# KiCad board motorgo_core_panel.kicad_pcb (continued)
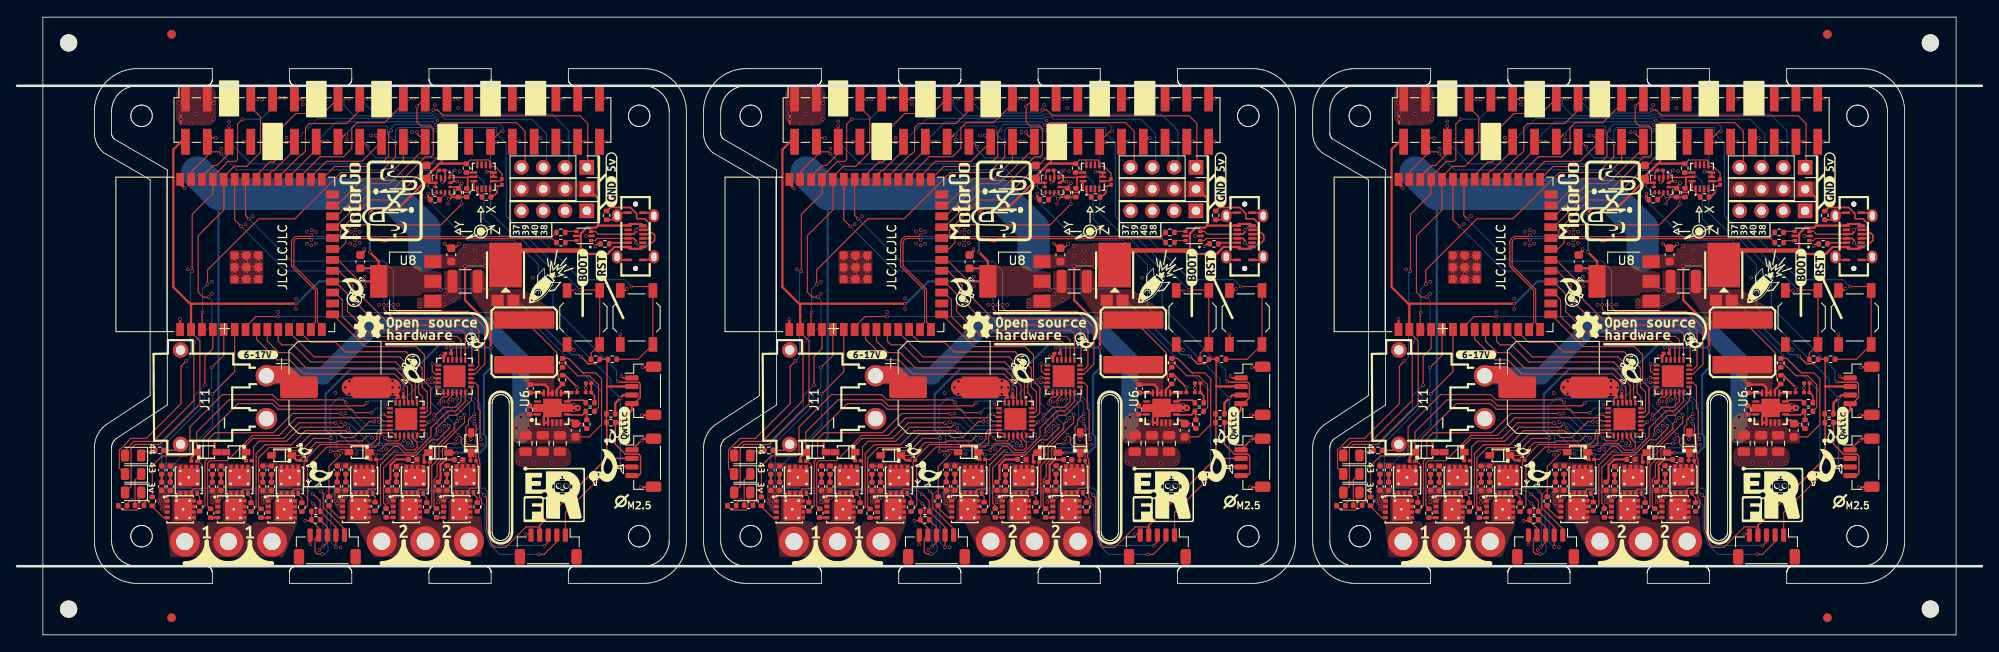
[diagram p0: board, top side]
## Nets (continued)
Board_1-+BATT: C2.1 C5.2 C7#2.2 C10.2 C12#2.2 C14#2.2 C15#3.1 C16#3.1 C17#2.1 C19#3.1 C27#3.2 C35.2 C37.2 C40#2.2 C42#3.2 C44#3.2 C47#3.2 J11#3.1 Q1#3.5 Q1#3.6 Q1#3.7 Q1#3.8 Q1#3.9 Q3#2.5 Q3#2.6 Q3#2.7 Q3#2.8 Q3#2.9 Q5#2.5 Q5#2.6 Q5#2.7 Q5#2.8 Q5#2.9 Q7#2.5 Q7#2.6 Q7#2.7 Q7#2.8 Q7#2.9 Q9#2.5 Q9#2.6 Q9#2.7 Q9#2.8 Q9#2.9 Q11#2.5 Q11#2.6 Q11#2.7 Q11#2.8 Q11#2.9 R16.1 U6#2.4 U6#2.5 U6#2.6
Board_1-/connectors.enc1.cs: J16#3.1 U1.6
Board_1-/connectors.enc2.cs: J18#2.1 U1.7
Board_1-/connectors.enc_scl: J16#3.2 J18#2.2 R32.2 U1.5
Board_1-/connectors.enc_sda: J16#3.3 J18#2.3 R33#2.2 U1.4
Board_1-/i2c_1.scl: R39.2 U1.22 U10#2.1 U11.13
Board_1-/i2c_1.sda: R38#2.2 U1.21 U10#2.11 U11.14
Board_1-boot: J2#3.2 J4#2.30 J7#2.29 R8#2.2 U1.27
Board_1-GND: C1.2 C2.2 C3#3.2 C6#3.1 C8#3.1 C11.1 C13.1 C15#3.2 C16#3.2 C17#2.2 C18.2 C19#3.2 C20#3.2 C21#2.1 C23#3.2 C24#3.2 C25#3.2 C28#2.1 C30#3.1 C31#3.2 C32.2 C33.2 C36.1 C38.1 C41#3.1 C43#3.1 C45#2.1 C48#3.1 J1#3.1 J1#3.2 J1#3.3 J1#3.4 J1#3.A1 J1#3.A12 J1#3.B1 J1#3.B12 J2#3.1 J3#2.2 J4#2.5 J4#2.10 J4#2.13 J4#2.19 J4#2.26 J4#2.29 J4#2.33 J4#2.40 J7#2.6 J7#2.9 J7#2.14 J7#2.20 J7#2.25 J7#2.30 J7#2.34 J7#2.39 J9.1 J9.2 J9.3 J9.4 J11#3.2 J11#3.3 J11#3.4 J13#2.1 J15#2.1 J16#3.5 J18#2.5 Q2#2.1 Q2#2.2 Q2#2.3 Q4#2.1 Q4#2.2 Q4#2.3 Q6#3.1 Q6#3.2 Q6#3.3 Q8.1 Q8.2 Q8.3 Q10#3.1 Q10#3.2 Q10#3.3 Q12.1 Q12.2 Q12.3 R1.2 R2#2.2 R3#3.2 R4#2.1 R5#3.1 R17#3.2 R18.2 R25#3.2 R46.2 R49#2.2 U1.1 U1.40 U1.41 U2#2.2 U3#3.6 U4#3.6 U6#2.2 U6#2.3 U6#2.15 U8#3.1 U10#2.2 U10#2.3 U10#2.12 U11.6 U11.7
Board_1-gpio21: J4#2.23 J7#2.24 U1.23
Board_1-gpio35: J4#2.20 J7#2.19 U1.28
Board_1-gpio36: J4#2.21 J7#2.22 U1.29
Board_1-gpio37: J4#2.14 J5.4 J7#2.13 U1.30
Board_1-gpio38: J4#2.17 J5.1 J7#2.18 U1.31
Board_1-gpio39: J4#2.12 J5.3 J7#2.11 U1.32
Board_1-gpio40: J4#2.15 J5.2 J7#2.16 U1.33
Board_1-gpio43: D2.2 J4#2.9 J7#2.10 U1.37
Board_1-gpio44: D1#2.2 J4#2.7 J7#2.8 U1.36
Board_1-gpio47: J4#2.24 J7#2.23 U1.24
Board_1-gpio48: J4#2.22 J7#2.21 U1.25
Board_1-m1_uh: U1.15 U3#3.22
Board_1-m1_ul: U1.10 U3#3.1
Board_1-m1_vh: U1.12 U3#3.23
Board_1-m1_vl: U1.9 U3#3.2
Board_1-m1_wh: U1.11 U3#3.24
Board_1-m1_wl: U1.8 U3#3.3
Board_1-m2_uh: U1.34 U4#3.22
Board_1-m2_ul: U1.19 U4#3.1
Board_1-m2_vh: U1.35 U4#3.23
Board_1-m2_vl: U1.18 U4#3.2
Board_1-m2_wh: U1.20 U4#3.24
Board_1-m2_wl: U1.17 U4#3.3
Board_1-Net-(C1-Pad1): C1.1 C20#3.1 R19#3.2
Board_1-Net-(C5-Pad1): C5.1 C6#3.2
Board_1-Net-(C7-Pad1): C7#2.1 C8#3.2
Board_1-Net-(C10-Pad1): C10.1 C11.2
Board_1-Net-(C12-Pad1): C12#2.1 C13.2
Board_1-Net-(C14-Pad1): C14#2.1 C21#2.2
Board_1-Net-(C22-Pad1): C22.1 L1#3.1 U6#2.11 U6#2.12
Board_1-Net-(C23-Pad1): C23#3.1 D4.1 D4.3 L1#3.2 R24#3.1
Board_1-Net-(C27-Pad1): C27#3.1 C28#2.2
Board_1-Net-(C35-Pad1): C35.1 C36.2
Board_1-Net-(C37-Pad1): C37.1 C38.2
Board_1-Net-(C40-Pad1): C40#2.1 C41#3.2
Board_1-Net-(C42-Pad1): C42#3.1 C43#3.2
Board_1-Net-(C44-Pad1): C44#3.1 C45#2.2
Board_1-Net-(C47-Pad1): C47#3.1 C48#3.2
Board_1-Net-(D1-K): D1#2.1 R1.1
Board_1-Net-(D2-K): D2.1 R2#2.1
Board_1-Net-(D3-K): D3.1 R3#3.1
Board_1-Net-(D5-K): C4#2.2 D5#2.1 U3#3.20
Board_1-Net-(D6-K): C9#2.2 D6.1 U3#3.17
Board_1-Net-(D7-K): C26#3.2 D7#2.1 U3#3.14
Board_1-Net-(D8-K): C34#3.2 D8#2.1 U4#3.20
Board_1-Net-(D9-K): C39#2.2 D9#3.1 U4#3.17
Board_1-Net-(D10-K): C46.2 D10#3.1 U4#3.14
Board_1-Net-(J1-CC1): J1#3.A5 R4#2.2
Board_1-Net-(J1-CC2): J1#3.B5 R5#3.2
Board_1-Net-(J1-DN1): J1#3.A7 J1#3.B7 U2#2.3
Board_1-Net-(J1-DP1): J1#3.A6 J1#3.B6 U2#2.1
Board_1-Net-(Q1-G): Q1#3.4 R15.2
Board_1-Net-(Q2-G): Q2#2.4 R14#3.1
Board_1-Net-(Q3-G): Q3#2.4 R13#2.2
Board_1-Net-(Q4-G): Q4#2.4 R12#2.1
Board_1-Net-(Q5-G): Q5#2.4 R11.2
Board_1-Net-(Q6-G): Q6#3.4 R10.1
Board_1-Net-(Q7-G): Q7#2.4 R27.2
Board_1-Net-(Q8-G): Q8.4 R26#2.1
Board_1-Net-(Q9-G): Q9#2.4 R23#3.2
Board_1-Net-(Q10-G): Q10#3.4 R22.1
Board_1-Net-(Q11-G): Q11#2.4 R21#3.2
Board_1-Net-(Q12-G): Q12.4 R20#3.1
Board_1-Net-(R6-Pad2): R6#3.2 U2#2.6
Board_1-Net-(R7-Pad2): R7#2.2 U2#2.4
Board_1-Net-(U3-HO1): R15.1 U3#3.19
Board_1-Net-(U3-HO2): R13#2.1 U3#3.16
Board_1-Net-(U3-HO3): R11.1 U3#3.13
Board_1-Net-(U3-LO1): R14#3.2 U3#3.11
Board_1-Net-(U3-LO2): R12#2.2 U3#3.10
Board_1-Net-(U3-LO3): R10.2 U3#3.9
Board_1-Net-(U3-VS1): C4#2.1 J6#2.1 Q1#3.1 Q1#3.2 Q1#3.3 Q2#2.5 Q2#2.6 Q2#2.7 Q2#2.8 Q2#2.9 U3#3.18
Board_1-Net-(U3-VS2): C9#2.1 J6#2.2 Q3#2.1 Q3#2.2 Q3#2.3 Q4#2.5 Q4#2.6 Q4#2.7 Q4#2.8 Q4#2.9 U3#3.15
Board_1-Net-(U3-VS3): C26#3.1 J6#2.3 Q5#2.1 Q5#2.2 Q5#2.3 Q6#3.5 Q6#3.6 Q6#3.7 Q6#3.8 Q6#3.9 U3#3.12
Board_1-Net-(U4-HO1): R27.1 U4#3.19
Board_1-Net-(U4-HO2): R23#3.1 U4#3.16
Board_1-Net-(U4-HO3): R21#3.1 U4#3.13
Board_1-Net-(U4-LO1): R26#2.2 U4#3.11
Board_1-Net-(U4-LO2): R22.2 U4#3.10
Board_1-Net-(U4-LO3): R20#3.2 U4#3.9
Board_1-Net-(U4-VS1): C34#3.1 J8#3.1 Q7#2.1 Q7#2.2 Q7#2.3 Q8.5 Q8.6 Q8.7 Q8.8 Q8.9 U4#3.18
Board_1-Net-(U4-VS2): C39#2.1 J8#3.2 Q9#2.1 Q9#2.2 Q9#2.3 Q10#3.5 Q10#3.6 Q10#3.7 Q10#3.8 Q10#3.9 U4#3.15
Board_1-Net-(U4-VS3): C46.1 J8#3.3 Q11#2.1 Q11#2.2 Q11#2.3 Q12.5 Q12.6 Q12.7 Q12.8 Q12.9 U4#3.12
Board_1-Net-(U6-BOOT): C22.2 U6#2.13
Board_1-Net-(U6-COMP): R19#3.1 U6#2.8
Board_1-Net-(U6-EN): R16.2 R17#3.1 U6#2.10
Board_1-Net-(U6-RT/CLK): R18.1 U6#2.1
Board_1-Net-(U6-SS/TR): C18.1 U6#2.9
Board_1-Net-(U6-VSENSE): R24#3.2 R25#3.1 U6#2.7
Board_1-Net-(U10-C1): C30#3.2 U10#2.4
Board_1-Net-(U10-SD0/SA1): R46.1 U10#2.9
Board_1-Net-(U11-CS): R50#3.1 U11.12
Board_1-Net-(U11-SDO/SA0): R49#2.1 U11.1
Board_1-p7: J4#2.8 J7#2.7
Board_1-p12: J4#2.11 J7#2.12
Board_1-p26: J4#2.25 J7#2.26
Board_1-p31: J4#2.32 J7#2.31
Board_1-p32: J4#2.31 J7#2.32
Board_1-p33: J4#2.34 J7#2.33
Board_1-p35: J4#2.36 J7#2.35
Board_1-p36: J4#2.35 J7#2.36
Board_1-p37: J4#2.38 J7#2.37
Board_1-p38: J4#2.37 J7#2.38
Board_1-p40: J4#2.39 J7#2.40
Board_1-reset: J3#2.1 J4#2.16 J7#2.15 R9#2.2 U1.3
Board_1-scl: J4#2.6 J7#2.5 J13#2.4 J15#2.4 R31.2 U1.38
Board_1-sda: J4#2.4 J7#2.3 J13#2.3 J15#2.3 R30#2.2 U1.39
Board_1-unconnected-(J1-SBU1-PadA8): J1#3.A8
Board_1-unconnected-(J1-SBU2-PadB8): J1#3.B8
Board_1-unconnected-(J4-Pin_27-Pad27): J4#2.27
Board_1-unconnected-(J4-Pin_28-Pad28): J4#2.28
Board_1-unconnected-(J7-Pin_1-Pad1): J7#2.1
Board_1-unconnected-(J7-Pin_17-Pad17): J7#2.17
Board_1-unconnected-(J7-Pin_27-Pad27): J7#2.27
Board_1-unconnected-(J7-Pin_28-Pad28): J7#2.28
Board_1-unconnected-(U1-GPIO45-Pad26): U1.26
Board_1-unconnected-(U1-GPIO46-Pad16): U1.16
Board_1-unconnected-(U3-NC-Pad5): U3#3.5
Board_1-unconnected-(U3-NC-Pad7): U3#3.7
Board_1-unconnected-(U3-NC-Pad8): U3#3.8
Board_1-unconnected-(U3-NC-Pad21): U3#3.21
Board_1-unconnected-(U4-NC-Pad5): U4#3.5
Board_1-unconnected-(U4-NC-Pad7): U4#3.7
Board_1-unconnected-(U4-NC-Pad8): U4#3.8
Board_1-unconnected-(U4-NC-Pad21): U4#3.21
Board_1-unconnected-(U6-PWRGD-Pad14): U6#2.14
Board_1-unconnected-(U10-DRDY-Pad8): U10#2.8
Board_1-unconnected-(U10-INT-Pad7): U10#2.7
Board_1-unconnected-(U11-INT1-Pad4): U11.4
Board_1-unconnected-(U11-INT2-Pad9): U11.9
Board_1-unconnected-(U11-NC-Pad10): U11.10
Board_1-unconnected-(U11-NC-Pad11): U11.11
Board_1-unconnected-(U11-SCX-Pad3): U11.3
Board_1-unconnected-(U11-SDX-Pad2): U11.2
Board_1-usb_d+: R6#3.1 U1.14
Board_1-usb_d-: R7#2.1 U1.13
Board_2-+3.3V: C25.1 C31.1 C32#2.1 D3#3.2 J4.2 J4.18 J13.2 J15.2 J16#2.4 J18#3.4 R8#3.1 R9.1 R30#3.1 R31#3.1 R32#3.1 R33#3.1 R38.1 R39#2.1 R50#2.2 U1#3.2 U8.2 U10.5 U10.6 U10.10 U11#3.5 U11#3.8
Board_2-+5V: C3#2.1 C24.1 C33#2.1 D4#2.2 D5.2 D6#3.2 D7.2 D8#3.2 D9#2.2 D10.2 J1.A4 J1.A9 J1.B4 J1.B9 J4.1 J4.3 J7#3.2 J7#3.4 J12.1 J12.2 J12.3 J12.4 U2#3.5 U3#2.4 U4.4 U8.3
Board_2-+BATT: C2#2.1 C5#3.2 C7#3.2 C10#2.2 C12#3.2 C14.2 C15.1 C16.1 C17.1 C19#2.1 C27#2.2 C35#2.2 C37#3.2 C40#3.2 C42.2 C44#2.2 C47.2 J11.1 Q1.5 Q1.6 Q1.7 Q1.8 Q1.9 Q3.5 Q3.6 Q3.7 Q3.8 Q3.9 Q5#3.5 Q5#3.6 Q5#3.7 Q5#3.8 Q5#3.9 Q7.5 Q7.6 Q7.7 Q7.8 Q7.9 Q9#3.5 Q9#3.6 Q9#3.7 Q9#3.8 Q9#3.9 Q11#3.5 Q11#3.6 Q11#3.7 Q11#3.8 Q11#3.9 R16#3.1 U6#3.4 U6#3.5 U6#3.6
Board_2-/connectors.enc1.cs: J16#2.1 U1#3.6
Board_2-/connectors.enc2.cs: J18#3.1 U1#3.7
Board_2-/connectors.enc_scl: J16#2.2 J18#3.2 R32#3.2 U1#3.5
Board_2-/connectors.enc_sda: J16#2.3 J18#3.3 R33#3.2 U1#3.4
Board_2-/i2c_1.scl: R39#2.2 U1#3.22 U10.1 U11#3.13
Board_2-/i2c_1.sda: R38.2 U1#3.21 U10.11 U11#3.14
Board_2-boot: J2.2 J4.30 J7#3.29 R8#3.2 U1#3.27
Board_2-GND: C1#2.2 C2#2.2 C3#2.2 C6#2.1 C8#2.1 C11#2.1 C13#3.1 C15.2 C16.2 C17.2 C18#3.2 C19#2.2 C20#2.2 C21#3.1 C23.2 C24.2 C25.2 C28#3.1 C30.1 C31.2 C32#2.2 C33#2.2 C36#2.1 C38#2.1 C41.1 C43#2.1 C45.1 C48.1 J1.1 J1.2 J1.3 J1.4 J1.A1 J1.A12 J1.B1 J1.B12 J2.1 J3#3.2 J4.5 J4.10 J4.13 J4.19 J4.26 J4.29 J4.33 J4.40 J7#3.6 J7#3.9 J7#3.14 J7#3.20 J7#3.25 J7#3.30 J7#3.34 J7#3.39 J9#3.1 J9#3.2 J9#3.3 J9#3.4 J11.2 J11.3 J11.4 J13.1 J15.1 J16#2.5 J18#3.5 Q2.1 Q2.2 Q2.3 Q4.1 Q4.2 Q4.3 Q6#2.1 Q6#2.2 Q6#2.3 Q8#3.1 Q8#3.2 Q8#3.3 Q10#2.1 Q10#2.2 Q10#2.3 Q12#3.1 Q12#3.2 Q12#3.3 R1#2.2 R2#3.2 R3#2.2 R4.1 R5#2.1 R17#2.2 R18#3.2 R25#2.2 R46#3.2 R49.2 U1#3.1 U1#3.40 U1#3.41 U2#3.2 U3#2.6 U4.6 U6#3.2 U6#3.3 U6#3.15 U8.1 U10.2 U10.3 U10.12 U11#3.6 U11#3.7
Board_2-gpio21: J4.23 J7#3.24 U1#3.23
Board_2-gpio35: J4.20 J7#3.19 U1#3.28
Board_2-gpio36: J4.21 J7#3.22 U1#3.29
Board_2-gpio37: J4.14 J5#2.4 J7#3.13 U1#3.30
Board_2-gpio38: J4.17 J5#2.1 J7#3.18 U1#3.31
Board_2-gpio39: J4.12 J5#2.3 J7#3.11 U1#3.32
Board_2-gpio40: J4.15 J5#2.2 J7#3.16 U1#3.33
Board_2-gpio43: D2#3.2 J4.9 J7#3.10 U1#3.37
Board_2-gpio44: D1.2 J4.7 J7#3.8 U1#3.36
Board_2-gpio47: J4.24 J7#3.23 U1#3.24
Board_2-gpio48: J4.22 J7#3.21 U1#3.25
Board_2-m1_uh: U1#3.15 U3#2.22
Board_2-m1_ul: U1#3.10 U3#2.1
Board_2-m1_vh: U1#3.12 U3#2.23
Board_2-m1_vl: U1#3.9 U3#2.2
Board_2-m1_wh: U1#3.11 U3#2.24
Board_2-m1_wl: U1#3.8 U3#2.3
Board_2-m2_uh: U1#3.34 U4.22
Board_2-m2_ul: U1#3.19 U4.1
Board_2-m2_vh: U1#3.35 U4.23
Board_2-m2_vl: U1#3.18 U4.2
Board_2-m2_wh: U1#3.20 U4.24
Board_2-m2_wl: U1#3.17 U4.3
Board_2-Net-(C1-Pad1): C1#2.1 C20#2.1 R19#2.2
Board_2-Net-(C5-Pad1): C5#3.1 C6#2.2
Board_2-Net-(C7-Pad1): C7#3.1 C8#2.2
Board_2-Net-(C10-Pad1): C10#2.1 C11#2.2
Board_2-Net-(C12-Pad1): C12#3.1 C13#3.2
Board_2-Net-(C14-Pad1): C14.1 C21#3.2
Board_2-Net-(C22-Pad1): C22#3.1 L1.1 U6#3.11 U6#3.12
Board_2-Net-(C23-Pad1): C23.1 D4#2.1 D4#2.3 L1.2 R24.1
Board_2-Net-(C27-Pad1): C27#2.1 C28#3.2
Board_2-Net-(C35-Pad1): C35#2.1 C36#2.2
Board_2-Net-(C37-Pad1): C37#3.1 C38#2.2
Board_2-Net-(C40-Pad1): C40#3.1 C41.2
Board_2-Net-(C42-Pad1): C42.1 C43#2.2
Board_2-Net-(C44-Pad1): C44#2.1 C45.2
Board_2-Net-(C47-Pad1): C47.1 C48.2
Board_2-Net-(D1-K): D1.1 R1#2.1
Board_2-Net-(D2-K): D2#3.1 R2#3.1
Board_2-Net-(D3-K): D3#3.1 R3#2.1
Board_2-Net-(D5-K): C4#3.2 D5.1 U3#2.20
Board_2-Net-(D6-K): C9#3.2 D6#3.1 U3#2.17
Board_2-Net-(D7-K): C26.2 D7.1 U3#2.14
Board_2-Net-(D8-K): C34.2 D8#3.1 U4.20
Board_2-Net-(D9-K): C39#3.2 D9#2.1 U4.17
Board_2-Net-(D10-K): C46#3.2 D10.1 U4.14
Board_2-Net-(J1-CC1): J1.A5 R4.2
Board_2-Net-(J1-CC2): J1.B5 R5#2.2
Board_2-Net-(J1-DN1): J1.A7 J1.B7 U2#3.3
Board_2-Net-(J1-DP1): J1.A6 J1.B6 U2#3.1
Board_2-Net-(Q1-G): Q1.4 R15#3.2
Board_2-Net-(Q2-G): Q2.4 R14#2.1
Board_2-Net-(Q3-G): Q3.4 R13#3.2
Board_2-Net-(Q4-G): Q4.4 R12#3.1
Board_2-Net-(Q5-G): Q5#3.4 R11#3.2
Board_2-Net-(Q6-G): Q6#2.4 R10#2.1
Board_2-Net-(Q7-G): Q7.4 R27#2.2
Board_2-Net-(Q8-G): Q8#3.4 R26#3.1
Board_2-Net-(Q9-G): Q9#3.4 R23.2
Board_2-Net-(Q10-G): Q10#2.4 R22#3.1
Board_2-Net-(Q11-G): Q11#3.4 R21.2
Board_2-Net-(Q12-G): Q12#3.4 R20.1
Board_2-Net-(R6-Pad2): R6.2 U2#3.6
Board_2-Net-(R7-Pad2): R7.2 U2#3.4
Board_2-Net-(U3-HO1): R15#3.1 U3#2.19
Board_2-Net-(U3-HO2): R13#3.1 U3#2.16
Board_2-Net-(U3-HO3): R11#3.1 U3#2.13
Board_2-Net-(U3-LO1): R14#2.2 U3#2.11
Board_2-Net-(U3-LO2): R12#3.2 U3#2.10
Board_2-Net-(U3-LO3): R10#2.2 U3#2.9
Board_2-Net-(U3-VS1): C4#3.1 J6.1 Q1.1 Q1.2 Q1.3 Q2.5 Q2.6 Q2.7 Q2.8 Q2.9 U3#2.18
Board_2-Net-(U3-VS2): C9#3.1 J6.2 Q3.1 Q3.2 Q3.3 Q4.5 Q4.6 Q4.7 Q4.8 Q4.9 U3#2.15
Board_2-Net-(U3-VS3): C26.1 J6.3 Q5#3.1 Q5#3.2 Q5#3.3 Q6#2.5 Q6#2.6 Q6#2.7 Q6#2.8 Q6#2.9 U3#2.12
Board_2-Net-(U4-HO1): R27#2.1 U4.19
Board_2-Net-(U4-HO2): R23.1 U4.16
Board_2-Net-(U4-HO3): R21.1 U4.13
Board_2-Net-(U4-LO1): R26#3.2 U4.11
Board_2-Net-(U4-LO2): R22#3.2 U4.10
Board_2-Net-(U4-LO3): R20.2 U4.9
Board_2-Net-(U4-VS1): C34.1 J8#2.1 Q7.1 Q7.2 Q7.3 Q8#3.5 Q8#3.6 Q8#3.7 Q8#3.8 Q8#3.9 U4.18
Board_2-Net-(U4-VS2): C39#3.1 J8#2.2 Q9#3.1 Q9#3.2 Q9#3.3 Q10#2.5 Q10#2.6 Q10#2.7 Q10#2.8 Q10#2.9 U4.15
Board_2-Net-(U4-VS3): C46#3.1 J8#2.3 Q11#3.1 Q11#3.2 Q11#3.3 Q12#3.5 Q12#3.6 Q12#3.7 Q12#3.8 Q12#3.9 U4.12
Board_2-Net-(U6-BOOT): C22#3.2 U6#3.13
Board_2-Net-(U6-COMP): R19#2.1 U6#3.8
Board_2-Net-(U6-EN): R16#3.2 R17#2.1 U6#3.10
Board_2-Net-(U6-RT/CLK): R18#3.1 U6#3.1
Board_2-Net-(U6-SS/TR): C18#3.1 U6#3.9
Board_2-Net-(U6-VSENSE): R24.2 R25#2.1 U6#3.7
Board_2-Net-(U10-C1): C30.2 U10.4
Board_2-Net-(U10-SD0/SA1): R46#3.1 U10.9
Board_2-Net-(U11-CS): R50#2.1 U11#3.12
Board_2-Net-(U11-SDO/SA0): R49.1 U11#3.1
Board_2-p7: J4.8 J7#3.7
Board_2-p12: J4.11 J7#3.12
Board_2-p26: J4.25 J7#3.26
Board_2-p31: J4.32 J7#3.31
Board_2-p32: J4.31 J7#3.32
Board_2-p33: J4.34 J7#3.33
Board_2-p35: J4.36 J7#3.35
Board_2-p36: J4.35 J7#3.36
Board_2-p37: J4.38 J7#3.37
Board_2-p38: J4.37 J7#3.38
Board_2-p40: J4.39 J7#3.40
Board_2-reset: J3#3.1 J4.16 J7#3.15 R9.2 U1#3.3
Board_2-scl: J4.6 J7#3.5 J13.4 J15.4 R31#3.2 U1#3.38
Board_2-sda: J4.4 J7#3.3 J13.3 J15.3 R30#3.2 U1#3.39
Board_2-unconnected-(J1-SBU1-PadA8): J1.A8
Board_2-unconnected-(J1-SBU2-PadB8): J1.B8
Board_2-unconnected-(J4-Pin_27-Pad27): J4.27
Board_2-unconnected-(J4-Pin_28-Pad28): J4.28
Board_2-unconnected-(J7-Pin_1-Pad1): J7#3.1
Board_2-unconnected-(J7-Pin_17-Pad17): J7#3.17
Board_2-unconnected-(J7-Pin_27-Pad27): J7#3.27
Board_2-unconnected-(J7-Pin_28-Pad28): J7#3.28
Board_2-unconnected-(U1-GPIO45-Pad26): U1#3.26
Board_2-unconnected-(U1-GPIO46-Pad16): U1#3.16
Board_2-unconnected-(U3-NC-Pad5): U3#2.5
Board_2-unconnected-(U3-NC-Pad7): U3#2.7
Board_2-unconnected-(U3-NC-Pad8): U3#2.8
Board_2-unconnected-(U3-NC-Pad21): U3#2.21
Board_2-unconnected-(U4-NC-Pad5): U4.5
Board_2-unconnected-(U4-NC-Pad7): U4.7
Board_2-unconnected-(U4-NC-Pad8): U4.8
Board_2-unconnected-(U4-NC-Pad21): U4.21
Board_2-unconnected-(U6-PWRGD-Pad14): U6#3.14
Board_2-unconnected-(U10-DRDY-Pad8): U10.8
Board_2-unconnected-(U10-INT-Pad7): U10.7
Board_2-unconnected-(U11-INT1-Pad4): U11#3.4
Board_2-unconnected-(U11-INT2-Pad9): U11#3.9
Board_2-unconnected-(U11-NC-Pad10): U11#3.10
Board_2-unconnected-(U11-NC-Pad11): U11#3.11
Board_2-unconnected-(U11-SCX-Pad3): U11#3.3
Board_2-unconnected-(U11-SDX-Pad2): U11#3.2
Board_2-usb_d+: R6.1 U1#3.14
Board_2-usb_d-: R7.1 U1#3.13

Pads without a net: J16 MP; J16#2 MP; J16#3 MP; J18 MP; J18#2 MP; J18#3 MP; U3 25; U3#2 25; U3#3 25; U4 25; U4#2 25; U4#3 25

## Via types
v1: diameter 0.4, hole 0.3, Top to Bottom, 975 vias

## Routing (per net, layer and track width the routed paths; a pad name or vN(x,y) marks a point on that pad's centre or on a via; arc(x,y) is an arc through that point)
Board_0-+3.3V: length 223
  Top w0.12: U10#3.6 U10#3.5 ; R33.1 34.29,13.31 35.15,12.45 J16.4 34.72,11.19 34.72,9.68 34.98,9.42 v1(35.54,9.42) ; R33.1 R32#2.1 ; R33.1 34.2,13.31 v1(33.59,13.31) ; U1#2.2 20.27,35.3 21.3,34.27 21.3,26.9 16.6,22.2 13.75,22.2 13.28,21.73 13.28,17.31 D3#2.2 ; R50.2 52.81,55.35 54.95,55.35 55.13,55.17 U11#2.8 55.31,54.6 55.7,54.6 56.5,53.8 56.5,53.11 56.27,52.89 U11#2.5 ; J18.4 60.9,12.58 59.31,12.58 56.93,10.2 55.6,10.2 55.3,10.5 54.7,12.3 54.7,16 v1(54.4,16.3) ; 50.7,51.04 50.39,51.35 U10#3.10 ; v1(40.9,56.9) 40.31,57.49
  Top w0.16: v1(65.71,32.44) 66.55,31.6 67.39,31.6 R8.1 R9#3.1 68.75,32.01 68.75,25.82 R30.1 68.69,24.75 R31#2.1 68.73,24.71 68.73,20.6 68.7,20.57 ; 69.9,28.94 69.91,28.95 J13#3.2 71.64,28.94 ; 68.7,20.57 60.9,12.77 J18.4 ; 68.7,20.57 J15#3.2 ; R38#3.1 R39#3.1 ; 51.39,51.04 50.7,51.04 50.47,50.81 v1(50.31,50.81)
  Top w0.25: v1(40.5,41.2) U8#2.2 42.15,43.55 v1(41.1,44.6) ; 49.5,54.94 v1(49.5,55.58) ; 49.5,54.94 52.34,54.94 R50.2 ; 49.5,54.94 49.24,54.94 47.8,53.51 v1(47.8,52.5) ; U1#2.2 20.27,38.47 20.4,38.6 ; 42.1,42.7 42.08,42.73 C25#2.1 ; J13#3.2 68.75,28.95 ; 20.4,38.6 20.14,38.6 18.2,40.54 18.2,56.57 19.12,57.49 J4#3.2 ; 20.4,38.6 v1(32.5,38.6) ; U10#3.5 47.42,52.7 44.43,49.7 41.58,49.7 41.1,49.22 v1(41.1,49.1)
  Bottom w0.12: v1(54.4,16.3) 53.89,16.81 37.18,16.81 36.11,15.74 36.11,10.5 36.23,10.38 36.23,9.79 35.86,9.42 v1(35.54,9.42) ; v1(33.59,13.31) 33.51,13.31 ; v1(40.9,56.9) 40.9,56.52 41.82,55.6 49.48,55.6 v1(49.5,55.58) ; v1(47.8,52.5) 47.8,52.34 48.6,51.54 49.59,51.54 v1(50.31,50.81)
  Bottom w0.16: v1(49.39,40.16) 49.56,40.33 56.96,40.33 64.63,32.66 65.49,32.66 v1(65.71,32.44)
  Bottom w0.25: v1(40.5,41.2) 35.2,41.2 32.6,38.6 v1(32.5,38.6) ; v1(41.1,44.6) v1(41.1,49.1)
Board_0-+5V: length 177.7
  Top w0.12: 52.91,23.57 52.91,22.86 v1(52.86,22.81) ; D8.2 38.38,21.6 37.56,21.6 37.37,21.41 36.56,21.41 v1(36.54,21.39) ; v1(22.9,62) 22.68,62 J4#3.3 ; 29.65,20.92 30.2,21.47 33.11,21.47 34.54,22.9 36.56,22.9 v1(36.57,22.91) ; U3.4 45.1,27.67 C3.1 ; J4#3.1 19.09,62 v1(18.9,62) ; C33#3.1 50.72,32.62 U4#2.4
  Top w0.25: 67.06,51.54 67.71,50.89 67.71,47.71 ; v1(52.2,43) 52.2,39 55.2,36 v1(55.2,33.5) ; 65.7,46.5 U2.5 ; 65.7,46.5 65.7,46.77 66.4,47.47 67.47,47.47 67.71,47.71 ; 65.7,46.5 65.7,44.9 65.6,44.8 66,44.4 68.82,44.4 69,44.58 69,44.59 69.62,45.21 J1#2.A4 71.42,45 72.73,45 J1#2.B9 ; 19.06,59.57 v1(19.06,60.77) ; 67.71,47.71 J1#2.A9 71.4,47.9 72.75,47.9 J1#2.B4 ; v1(50.6,33.5) 50.6,32.85 C33#3.1 ; v1(51.19,21.22) 50.3,21.22 ; C3.1 v1(45.02,28.39) ; v1(23.01,22.54) 23.01,21.56 D5#3.2 D6#2.2
  Top w0.5: 65.6,44.8 58.89,44.8 57.79,43.7
  Bottom w0.12: v1(52.86,22.81) 52.86,23.06 53.25,23.45 54.29,23.45 54.66,23.08 ; v1(36.54,21.39) 36.5,21.43 36.5,22.84 v1(36.57,22.91) ; v1(18.9,62) 19.09,62 19.61,62.52 ; 22.4,62.5 v1(22.9,62)
  Bottom w0.25: v1(23.01,22.54) 23.47,23 23.47,51.37 23.5,51.4 ; v1(51.19,21.22) 53.91,21.22 54.66,21.98 54.66,23.08 54.4,23.34 54.4,30.3 55.2,31.1 v1(55.2,33.5) v1(50.6,33.5) 50.54,33.56 ; 44.3,31 46.4,31 49.38,33.98 50.25,33.98 50.52,33.7 50.52,33.42 ; 44.3,31 45.02,31 v1(45.02,28.39) ; 44.3,31 38.9,31 35.95,28.05 35.95,23.94 36.57,23.32 v1(36.57,22.91) ; 54.66,43 v1(52.2,43)
  Bottom w3.75: 21,53.9 23.5,51.4 43.4,51.4 47.47,47.33 47.47,44.21
  vias: v1(19.1,60.1) v1(20.3,59.6) v1(20.9,63.2) v1(20.9,60.7) v1(21.6,59.6) v1(22.9,60.1) v1(52.15,45.35) v1(52.15,44.2) v1(53.35,44.8) v1(53.35,43.55) v1(54.55,44.2) v1(54.55,43.05) v1(54.6,45.4)
Board_0-+BATT: length 62.5
  Top w0.12: 65.08,23.08 66.67,23.08 68.12,24.52 68.12,29.84 67.42,30.54 65.96,30.54 64.28,32.22 R16#2.1 ; C27.2 C14#3.2
  Top w2: J11#2.1 29.2,30.35 31.35,30.35 C16#2.1
  Bottom w2: J11#2.1 35.7,30.2 41.59,36.09 54.61,36.09 58.7,32 v1(58.7,25.4) 58.7,23.3
  vias: v1(58.2,24.1) v1(58.2,22.7) v1(59.6,24.1)
Board_0-/connectors.enc1.cs: length 45.3
  Top w0.12: v1(22.78,28.1) 25.35,30.67 U1#2.6 ; J16.1 38.15,12.36 35.73,14.78 35.73,16.4 v1(35.42,16.71)
  Bottom w0.12: v1(35.42,16.71) 35.03,17.1 18.2,17.1 17.94,17.36 17.94,19.56 22.78,24.4 v1(22.78,28.1)
Board_0-/connectors.enc2.cs: length 64.8
  Top w0.12: U1#2.7 26.62,35.89 27.83,37.1 v1(30.4,37.1) ; J18.1 63.9,14.27 v1(68.11,18.48)
  Bottom w0.12: v1(68.11,18.48) 68.11,28.33 65.27,31.17 65.26,31.17 58.86,37.57 40.67,37.57 40.2,37.1 v1(30.4,37.1)
Board_0-/connectors.enc_scl: length 85.1
  Top w0.12: J18.2 62.9,10.85 61.43,9.38 v1(60.82,9.38) ; U1#2.5 24.08,32.57 v1(22.67,31.16) ; v1(37.15,10.22) J16.2 37.15,12.56 R32#2.2 35.31,15.62 34.55,16.38 v1(34.44,16.38)
  Bottom w0.12: v1(34.44,16.38) 34.02,16.8 17.69,16.8 17.36,17.13 17.36,22.34 21.77,26.75 21.77,27.93 22.67,28.83 v1(22.67,31.16) ; v1(60.82,9.38) 56.22,9.38 55.1,10.5 54.5,12.3 54.5,15.1 53.03,16.57 37.28,16.57 36.56,15.85 36.56,10.81 v1(37.15,10.22)
Board_0-/connectors.enc_sda: length 84.9
  Top w0.12: v1(35.64,10.28) 36.15,10.79 J16.3 ; U1#2.4 22.81,33.37 21.88,32.44 v1(21.88,29.11) ; J16.3 36.14,11.63 ; J16.3 36.15,12.56 R33.2 34.8,13.91 34.8,15 v1(34.5,15.3) ; v1(61.46,10.41) 61.9,10.85 J18.3
  Bottom w0.12: v1(34.5,15.3) 33.3,16.5 17.2,16.5 16.84,16.86 16.84,22.62 20.63,26.41 20.63,27.86 v1(21.88,29.11) ; v1(35.64,10.28) 35.64,16.25 36.49,17.1 54.47,17.1 54.8,16.77 54.8,16.48 54.81,16.47 54.81,16.13 54.8,16.12 54.8,12.3 55.4,10.6 55.59,10.41 v1(61.46,10.41)
Board_0-/i2c_1.scl: length 23.6
  Top w0.12: v1(51,54.14) 50.39,53.53 U10#3.1 ; 37.25,46.25 37.69,46.69 37.69,47.21 41.18,50.7 43.9,50.7 v1(47.03,53.83)
  Top w0.16: U11#2.13 52.65,53.39 52.5,53.24 52.5,52.15 52.5,53.32 U10#3.1
  Bottom w0.12: v1(51,54.14) 47.34,54.14 v1(47.03,53.83)
Board_0-/i2c_1.sda: length 24.8
  Top w0.12: v1(51.82,52.66) 51.4,52.24 ; v1(51.8,50.2) 49.4,47.8 39.14,47.8 38.3,46.96 38.3,45.7 37.58,44.98 U1#2.21
  Top w0.16: R38#3.2 51.87,51.58 52.73,51.58 53.24,52.09 U11#2.14 ; U10#3.11 51.25,52.2
  Bottom w0.12: v1(51.8,50.2) 51.8,50.66 51.82,50.68 v1(51.82,52.66)
Board_0-boot: length 62.9
  Top w0.12: J2#2.2 J2#2.2 66.89,32.84 R8.2 ; J4#3.30 56.39,58.7 v1(56.6,58.7) ; v1(65.6,40.2) 67.85,40.2 ; U1#2.27 37.02,54.6 40.6,54.6 41.2,55.2 42.71,55.2 43.3,55.79 43.3,58.5 v1(43.6,58.8)
  Top w0.18: v1(55.9,57.4) 55.26,57.4
  Bottom w0.12: v1(56.6,58.7) 56.6,59.2 56.2,59.6 49.61,59.6 49.01,59 48.63,59 48.13,59.5 44.05,59.5 43.6,59.05 v1(43.6,58.8) ; v1(65.6,40.2) 58.7,47.1 57.3,47.1 55.18,49.22 J7.29
  Bottom w0.18: v1(55.9,57.4) 55.25,57.4
Board_0-GND: length 103.9
  Top w0.12: v1(43.2,62.5) 43.17,62.53 J4#3.19 ; J4#3.40 68.59,57.49 v1(68.6,57.5) ; J18.5 59.8,11.73 v1(59.29,11.73) ; J4#3.5 25.47,62.53 v1(25.5,62.5) ; J4#3.13 35.57,62.53 v1(35.6,62.5) ; v1(66.31,46.5) 66.31,46.5 U2.2 ; J2#2.1 64.95,40.15 v1(65,40.1) ; U4#2.6 49.72,32.62 C33#3.2 ; U3.6 44.1,27.47 C3.2 ; R2.2 14.76,15.31 v1(15.1,15.65) ; R3.2 12.81,15.26 v1(13.3,15.75) ; J4#3.33 60.97,62.53 v1(61,62.5) ; J16.5 v1(34.15,10.55) ; v1(30,59.2) 30,57.71 ; J4#3.26 50.09,56.51 49.58,55.99 49.33,55.99 48.05,54.72 C32#3.2 ; 64.25,33.85 v1(64.9,33.2) ; v1(56,62.4) 55.3,62.4
  Top w0.16: 50.38,45.2 50.23,45.2 v1(49.82,45.61) ; v1(51.2,56.15) 50.09,56.15 ; v1(72.79,22.67) 72.75,22.67 J15#3.1 ; J3.2 70.88,40.15 v1(71.08,40.35) ; J13#3.1 70.65,29.95 v1(70.42,30.17) ; J1#2.3 69.46,48.39 R5.1 ; v1(67.4,45.3) 67.67,45.58 R4#3.1 ; 50.83,45.2 51.15,45.2 v1(51.5,45.55) ; R1#3.2 18.35,21.5 J11#2.3 ; J3.2 v1(70.3,35.02)
  Top w0.18: C20.2 66.27,28.78 v1(66.28,28.8) 66.28,29.35 ; v1(51.3,52.84) 50.65,52.84 U10#3.12 ; R49#3.2 55.4,51.04 55.9,51.54 v1(55.9,52.04) 55.9,52.24 56,52.34 56.63,52.34 ; J1#2.B1 73.88,49.21 ; v1(54.7,53.98) 55.43,53.98 U11#2.7 U11#2.6 ; J1#2.A12 70.28,49.21 ; J1#2.A1 70.28,43.71 ; 49.41,53.31 49.41,52.93 v1(49.55,52.79) 49.75,52.79 49.89,52.93 U10#3.2 49.89,54.05 ; C18#2.2 v1(65.28,28.85) 63.87,30.26 R17.2 ; J1#2.B12 73.88,43.71
  Top w0.25: U6.15 59.96,26.45 R18#2.2 ; U6.15 61.6,25.67 ; U6.15 61.89,25.95 61.89,24.72 61.39,24.72 61.39,25.45 61.58,25.65 ; 63.19,27.25 63.19,27.09 63.47,26.81 64.85,26.81 v1(64.89,26.85) ; v1(64.3,25) 64.71,25 C17#3.2 65.61,24.62 v1(65.78,24.45) 65.97,24.45 R25.2 ; U1#2.41 U1#2.41 U1#2.41 ; U1#2.41 U1#2.41 U1#2.41 U1#2.41 ; U1#2.41 U1#2.41 U1#2.41 ; v1(40.46,44.95) 40.46,44.74 C25#2.2 ; J13#3.1 74.12,31.2 v1(72.9,31.2) ; 63.19,25.65 63.19,25.81 63.53,26.15 v1(64.89,26.15) ; J15#3.1 74.11,17.2 v1(72.7,17.2) ; J13#3.1 74.12,25.6 v1(72.8,25.6) ; v1(49.36,32.47) 49.82,32.47 49.84,32.49 49.84,32.73 C33#3.2 ; J15#3.1 72.99,22.87 v1(72.79,22.67) ; U1#2.41 U1#2.41 ; v1(43.76,28.05) 44.08,28.05 C3.2 44.38,28.22 v1(43.75,28.85) ; R46#2.2 47.9,51.03 v1(47.9,51.44) ; 19,52.6 v1(19.5,52.1) ; U1#2.1 v1(19,36.8)
  Top w0.75: v1(65.35,26.45) U6.15
  Top w2: 38.84,28.85 C16#2.2 v1(43.75,28.85)
  Bottom w0.12: v1(68.6,57.5) 68.58,57.48 67.87,57.48 ; 60.25,62.52 60.98,62.52 v1(61,62.5) ; J7.30 55.9,62.5 v1(56,62.4) ; v1(30,59.2) 30,57.71 ; v1(43.2,62.5) 43.18,62.52 42.47,62.52 ; v1(25.5,62.5) J7.6 ; v1(35.6,62.5) 35.58,62.52 34.85,62.52
  Bottom w0.25: v1(51.2,56.15) 50.1,57.25 J7.25
  vias: v1(16.43,15.66) v1(16.94,15.87) v1(16.85,15.31) v1(16.9,14.7) v1(19.89,42.6) v1(22.68,41.14) v1(22.69,39.75) v1(22.7,16) v1(22.7,15.45) v1(23.29,16.04) v1(23.79,56.66) v1(23.85,16) v1(24.7,59.85) v1(25.3,43.5) v1(25.3,42.1) v1(26,44.2) v1(26,42.8) v1(26,41.4) v1(26.6,47.86) v1(26.7,43.5) v1(26.72,42.1) v1(27.4,44.2) v1(27.4,42.8) v1(27.4,41.4) v1(27.46,48.81) v1(28.1,43.5) v1(28.1,42.1) v1(28.55,62.4) v1(28.6,15.95) v1(28.6,15.4) v1(29.16,16.06) v1(29.75,16) v1(30.4,37.65) v1(31.15,62.6) v1(31.4,57.95) v1(32.5,39.2) v1(32.5,38) v1(33.3,61.85) v1(33.77,46.98) v1(33.78,45.61) v1(34.31,47.19) v1(34.3,45.39) v1(34.82,46.98) v1(34.8,45.61) v1(35.24,9.9) v1(36.15,57.5) v1(37.1,28.2) v1(37.15,21) v1(37.2,15.88) v1(37.3,15.33) v1(37.73,24.79) v1(37.72,16.08) v1(37.7,10.2) v1(38.25,25.83) v1(38.25,28.85) v1(38.35,16.05) v1(38.41,57.74) v1(38.6,24.1) v1(38.65,62.5) v1(38.72,29.57) v1(38.71,28.08) v1(38.84,45.6) v1(38.89,46.97) v1(39.41,47.2) v1(39.37,45.4) v1(39.54,21.1) v1(39.93,46.97) v1(39.92,45.69) v1(40.55,49.1) v1(40.5,41.75) v1(40.5,40.65) v1(41.25,58.2) v1(41.25,62.5) v1(41.34,22.97) v1(41.65,49.1) v1(42.2,38.47) v1(42.18,24.81) v1(42.91,26.85) v1(43,21.65) v1(43.12,16.05) v1(43.15,15.48) v1(43.3,38.47) v1(43.45,23.08) v1(43.7,16.08) v1(43.76,29.6) v1(44.28,16.15) v1(44.4,38.47) v1(44.54,28.83) v1(45.55,22.33) v1(46.05,58.6) v1(46.25,62.5) v1(46.45,57.5) v1(46.9,38.9) v1(46.9,38.3) v1(47.29,22.91) v1(47.88,29.75) v1(48.52,25.09) v1(48.53,22.25) v1(48.7,61.75) v1(48.84,27.97) v1(48.98,59.96) v1(49.07,15.97) v1(49.08,15.42) v1(49.25,23.75) v1(49.61,16.09) v1(49.7,27.21) v1(49.8,38.5) v1(49.8,24.38) v1(49.9,39.7) v1(50.05,33.5) v1(50.22,50.27) v1(50.22,16.1) v1(50.75,27.39) v1(50.87,39.04) v1(51.17,22.82) v1(51.35,62.5) v1(51.4,61.4) v1(51.6,54.04) v1(51.7,39.9) v1(51.69,25.29) v1(53.3,25.16) v1(54.19,22.17) v1(58.37,20.06) v1(60.12,41.64) v1(60.28,20.06) v1(62.31,20.06) v1(64.21,20.06) v1(69.88,19.66)